# Altium PCB MAIN.PcbDoc (part 2 of 2)
Units mil, origin at the board's own origin, x right, y up, seen from the top; angles counter-clockwise.
Board outline 5796 x 4241 mil, 2 copper layers (Top Layer, Bottom Layer); 170 components, 202 nets, 835 pads, 432 vias.
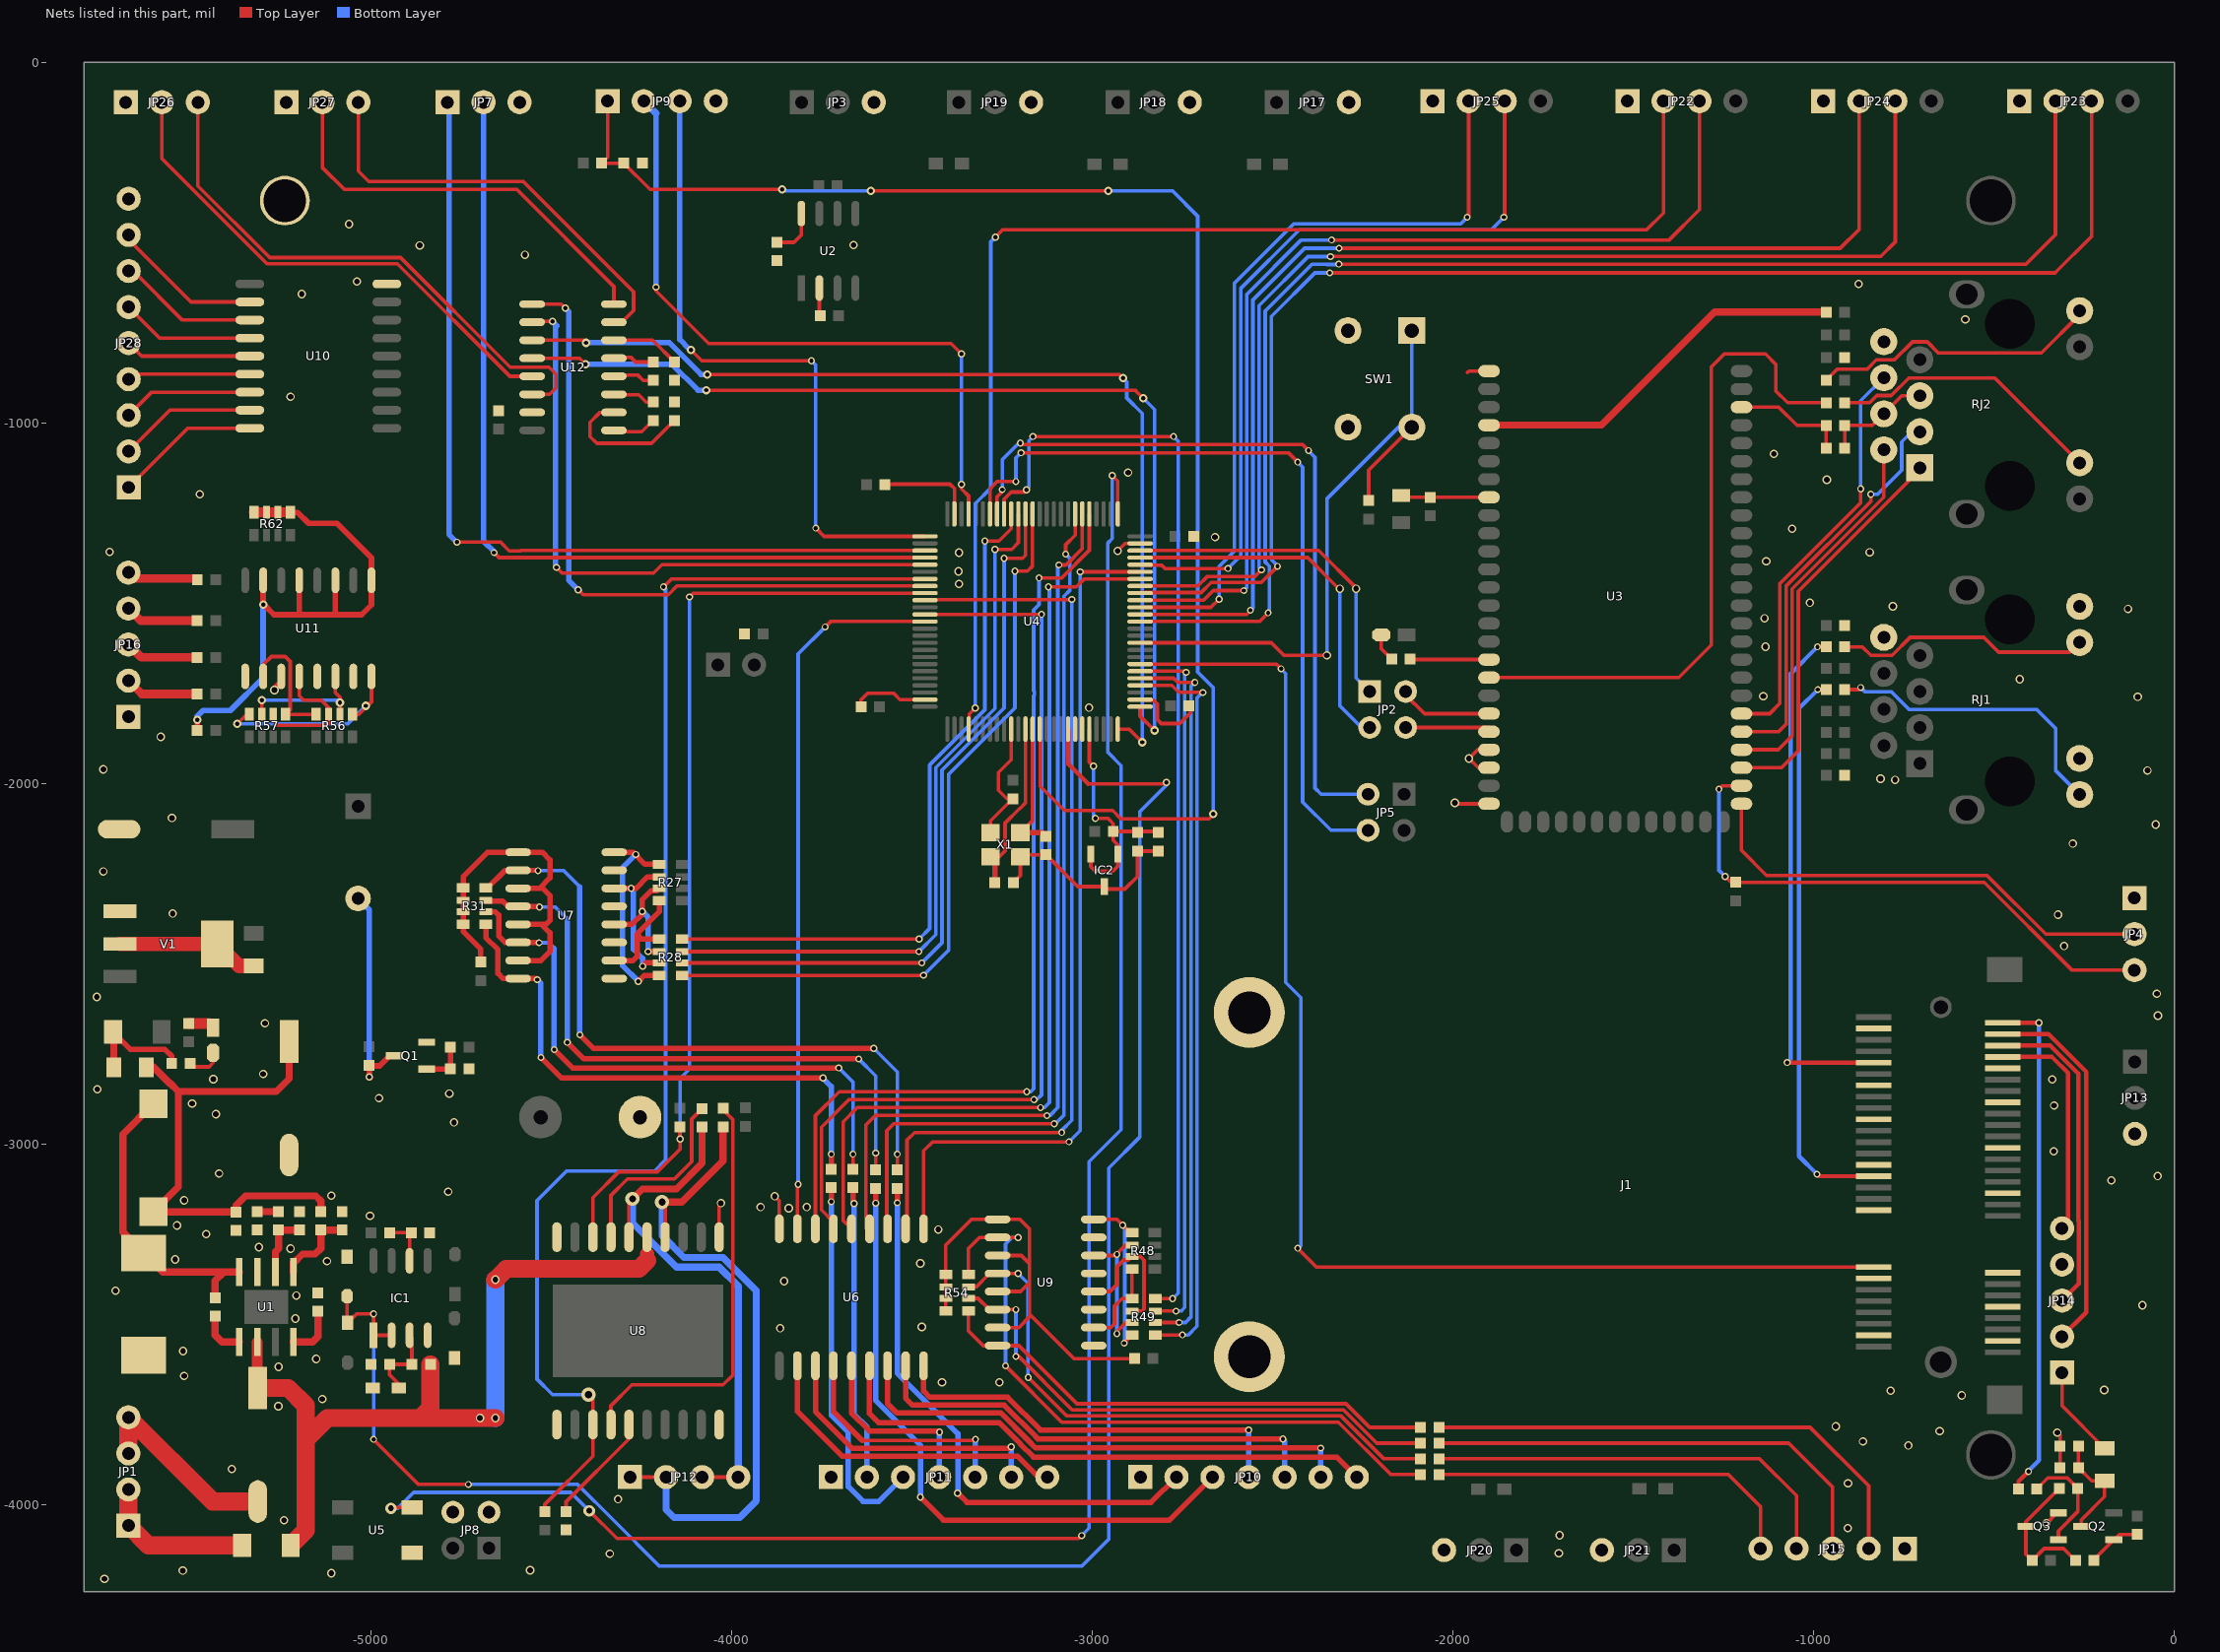
[diagram p2: the nets of this part, all layers, seen from the top]

## Via types
v1: diameter 19.68, hole 11.81, Top Layer to Bottom Layer, 219 vias
v2: diameter 23.62, hole 15.75, Top Layer to Bottom Layer, 123 vias
v3: diameter 25.98, hole 12.99, Top Layer to Bottom Layer, tented top, 40 vias
v4: diameter 23.62, hole 11.81, Top Layer to Bottom Layer, 38 vias
v5: diameter 39.37, hole 19.68, Top Layer to Bottom Layer, 6 vias
v6: diameter 31.5, hole 15.75, Top Layer to Bottom Layer, 3 vias
v7: diameter 47.24, hole 23.62, Top Layer to Bottom Layer, 3 vias

## Nets (pads, with @x,y where several pads share a name; then routed paths per layer and width w, separated by ;. In a path a pad name is that pad's centre, name@x,y a point inside that pad or via, vN(x,y) a via of type N, cw(c..) or ccw(c..) an arc to the next point about the centre after c; other vN are vias at no path point) (continued)
GND: C2.1 C3.1 C4.1 C5.1 C6.1 C7.1 C8.1 C9.2 C10.1 C11.2 C12.2 C13.1 C14.1 C15.1 C16.1 C17.1 C18.1 C19.1 C20.1 C21.1 C22.1 C25.1 C26.1 C27.1 C28.1 C29.2 C30.2 C32.2 C34.2 D1.1 E1.2 E2.2 E3.2 IC1.4 IC2.3 J1.3 J1.4 J1.9 J1.14 J1.15 J1.18 J1.21 J1.26 J1.29 J1.34 J1.37 J1.40 J1.43 J1.50 J1.53 J1.54 JP1.3 JP1.4 JP3.3 JP4.1 JP7.3 JP8.3 JP8.4 JP9.4 JP10.1 JP11.1 JP13.3 JP14.4 JP15.1 JP16.1 JP17.3 JP18.3 JP19.3 JP20.3 JP21.3 JP22.1 JP23.1 JP24.1 JP25.1 JP26.1 JP27.1 JP28.9 LED1.2 pad.1@-5238,-384 Q1.2 Q3.2 R3.1 R5.1 R7.1 R9.2 R17.1 R20.1 R32.2 R35.1 RJ1.8 RJ1.10 RJ1.12 RJ2.8 SW1.2 SW1.3 U1.7 U2.2 U3.B23 U3.C1 U3.C3 U3.C4 U3.C18 U3.C25 U4.10 U4.19 U4.20 U4.27 U4.49 U4.74 U4.99 U5.3 U6.9 U7.9 U7.11 U7.13 U7.15 U8.1 U8.10 U8.11 U8.20 U9.9 U9.11 U9.13 U9.15 U10.9 U11.9 U11.11 U11.13 U11.15 U12.15 V1.1 VD2.1 VD4.1 X1.2 X1.4 | length 3723.8
  Top Layer w10: C3.1@-5500.41,-2777 -5491.4,-2786 -5448,-2786 -5436.74,-2774.74 LED1.2@-5436.74,-2747 ; v2(-5267,-1741) -5267,-1733 -5247.93,-1713.93 U11.11@-5247.93,-1703.24 ; U8.1@-4033.7,-3258.24 -4033.7,-3168.7 v2(-4029,-3164) ; v2(-3880,-3145) -3867,-3158 U6.9@-3867,-3235 ; U2.2@-3756,-626.35 -3756,-700.58 C9.2@-3753.59,-703 ; C19.1@-3640.59,-1787 -3640.59,-1768.59 -3622,-1750 -3550,-1750 -3532.46,-1767.54 U4.99@-3463.24,-1767.54 ; C16.1@-3574.41,-1171 -3556,-1171 ; -3516,-1171 -3556,-1171 ; U4.74@-3381.53,-1252.76 -3381.53,-1182.47 -3394,-1170 -3555,-1170 -3556,-1171 ; X1.4@-3281.4,-2136.49 -3281.4,-2104 C18.1@-3220,-2042.59 -3236.41,-2042.59 -3260,-2019 -3260,-1970 -3224.05,-1934.05 U4.10@-3224.05,-1849.24 ; C15.1@-3218.41,-2275 -3198.72,-2255.31 X1.2@-3198.72,-2203.42 -3192.9,-2197.59 C14.1@-3128,-2197.59 -3039.59,-2286 IC2.3@-2966,-2286 -2959,-2293 -2909,-2293 -2874,-2258 C21.1@-2874,-2187.59 C22.1@-2816,-2187.59 ; v2(-2929,-1355) -2908.46,-1334.46 U4.49@-2866.75,-1334.46 ; U4.27@-2866.75,-1767.54 -2864.97,-1769.31 -2829.81,-1769.31 -2819.32,-1779.8 -2819.32,-1822.68 -2808,-1834 -2757,-1834 -2727,-1804 -2727,-1789.4 C20.1@-2731.41,-1785 ; C7.1@-2138.19,-1206.41 C8.1@-2062,-1206.41 U3.C18@-1899.59,-1206.41 ; v2(-1994,-2054) -1991.5,-2056.5 U3.C1@-1899.5,-2056.5 ; -1959,-860 -1955.5,-856.5 U3.C25@-1899.5,-856.5 ; U3.C3@-1899.5,-1956.5 -1929.5,-1956.5 v2(-1955,-1931) -1930.5,-1906.5 U3.C4@-1899.5,-1906.5 U3.C4@-1897,-1904 ; U3.B23@-1199.5,-956.5 -1096.5,-956.5 -1045.84,-1007.16 C12.2@-964.59,-1007.16 C11.2@-964.59,-1070 ; v2(-354,-4052) -324.6,-4022.6 Q3.2@-321,-4022.6 ; v2(-324,-3800) -316.59,-3807.41 C28.1@-316.59,-3838 -316.41,-3838.19 C29.2@-316.41,-3897.66
  Top Layer w50: JP1.3@-5671.43,-3858 JP1.4@-5671.43,-3758 -5437.94,-3991.48 E3.2@-5313,-3991.48
  other v2: -5738,-4206 -5109,-4190 -5521,-4183 -4558,-4182 -4337,-4136 -1706,-4135 -1704,-4085 -905,-4065 -5240,-4043 -4314,-3985 -904,-3941 -5385,-3901 -737,-3836 -863,-3825 -650,-3796 -938,-3783 -5256,-3727 -5134,-3707 -589,-3697 -786,-3684 -194,-3682 -3416,-3661 -3257,-3661 -5517,-3643 -5255,-3618 -5151,-3596 -5520,-3574 -3865,-3511 -3472,-3507 -5209,-3484 -88,-3447 -5206,-3420 -5707,-3407 -3854,-3380 -3476,-3331 -5121,-3325 -5542,-3320 -5222,-3290 -5310,-3286 -5456,-3250 -3426,-3237 -5537,-3226 -5002,-3199 -3841,-3178 -3919,-3175 -3791,-3175 -5517,-3156 -5109,-3143 -4785,-3132 -174,-3101 -46,-3089 -5420,-3082 -334,-3020 -4769,-2940 -5429,-2917 -333,-2893 -5495,-2888 -4977,-2873 -4782,-2860 -5758,-2848 -338,-2821 -5436,-2820 -5298,-2806 -5293,-2665 -45,-2644 -5759,-2592 -48,-2583 -305,-2451 -322,-2364 -5549,-2361 -5741,-2244 -281,-2167 -51,-2114 -5551,-2096 -774,-1990 -814,-1987 -74,-1964 -5741,-1961 -5582,-1871 -3008,-1790 -101,-1760 -1139,-1758 -428,-1711 -1133,-1621 -1136,-1542 -128,-1516 -780,-1509 -1010,-1499 -3369,-1447 -3370,-1412 -1131,-1384 -3369,-1360 -844,-1359 -5724,-1358 -2659,-1317 -1059,-1294 -5474,-1198 -963,-1158 -2900,-1138 -1110,-1086 -5222,-928 -579,-713 -5191,-643 -875,-615 -5038,-608 -4572,-534 -4864,-508 -3661,-507 -5060,-449
INPUT_C1: R33.1 U4.84 U8.8 | length 2640.3
  Top Layer w10: U8.8@-4383.7,-3258.24 -4383.7,-3148.7 -4312,-3077 -4205,-3077 -4142,-3014 v1(-4142,-2986) -4143,-2985 R33.1@-4143,-2952.13 ; v1(-4116,-1483) -4105.26,-1472.26 U4.84@-3463.24,-1472.26
  Bottom Layer w10: v1(-4142,-2986) -4142,-2818 -4116,-2792 v1(-4116,-1483)
INPUT_C2: R29.1 U4.82 U8.13 | length 3769.4
  Top Layer w10: R29.1@-4517,-4019.41 -4517,-3999 -4383.7,-3865.7 U8.13@-4383.7,-3777.96 -4383.7,-3707.3 v5(-4396,-3695) ; v1(-4188,-1455) -4165.89,-1432.89 U4.82@-3463.24,-1432.89
  Bottom Layer w10: v5(-4396,-3695) -4496,-3695 -4539,-3652 -4539,-3157 -4457,-3075 -4213,-3075 -4182.35,-3044.35 -4182.35,-1460.65 v1(-4188,-1455)
KEYINPUT1: R49.1 U4.29 | length 2072.5
  Top Layer w10: U4.29@-2866.75,-1728.17 -2778.83,-1728.17 -2760,-1747 -2694,-1747 v1(-2693,-1748) ; R49.1@-2825.17,-3529.39 v1(-2749.39,-3529.39)
  Bottom Layer w10: v1(-2749.39,-3529.39) -2733.39,-3529.39 -2709,-3505 -2709,-1763 -2694,-1748 v1(-2693,-1748)
KEYINPUT2: R49.2 U4.30 | length 2026.4
  Top Layer w10: U4.30@-2866.75,-1708.48 -2774.05,-1708.48 -2762.53,-1720 v1(-2715,-1720) ; R49.2@-2825.17,-3494.75 v1(-2758.75,-3494.75)
  Bottom Layer w10: v1(-2758.75,-3494.75) -2740.75,-3494.75 -2726,-3480 -2726,-1731 v1(-2715,-1720)
KEYINPUT3: R49.3 U4.31 | length 1978.2
  Top Layer w10: U4.31@-2866.75,-1688.8 -2742.2,-1688.8 v1(-2739,-1692) ; R49.3@-2825.17,-3463.25 v1(-2767.25,-3463.25)
  Bottom Layer w10: v1(-2767.25,-3463.25) -2753.25,-3463.25 -2743,-3453 -2743,-1696 v1(-2739,-1692)
KEYINPUT4: R49.4 U4.67 | length 3117.7
  Top Layer w10: U4.67@-3243.73,-1252.76 -3243.73,-1211.73 -3224,-1192 -3188,-1192 v1(-3182,-1186) ; v1(-3164,-1038) -3163,-1039 -3159,-1035 -3156,-1038 v1(-2774,-1038) ; R49.4@-2825.17,-3428.61 v1(-2776.61,-3428.61)
  Bottom Layer w10: v1(-3182,-1186) -3175.16,-1179.16 -3175.16,-1049.16 v1(-3164,-1038) ; v1@-2779,-3432 -2760.84,-3413.84 -2760.84,-1051.16 v1(-2774,-1038)
LINK0: R14.1 U3.C8 | length 1857.7
  Top Layer w10: U3.C8@-1899.5,-1706.5 -1373.5,-1706.5 -1283,-1616 -1283,-845 -1247,-809 -1133,-809 -1104,-838 -1104,-912 -1071.67,-944.33 R14.1@-964.59,-944.33
LPWM: J1.45 JP14.5 | length 637.9
  Top Layer w11.81: J1.45@-475.5,-2758.4 -338.8,-2758.4 -294,-2803.21 -294,-3217 JP14.5@-311,-3234
LRX: J1.49 JP14.2 | length 1036.6
  Top Layer w11.81: J1.49@-475.5,-2695.41 -348.59,-2695.41 -244,-2800 -244,-3467 JP14.2@-311,-3534
LTX: J1.47 JP14.3 | length 890.9
  Top Layer w11.81: J1.47@-475.5,-2726.91 -343.7,-2726.91 -266,-2804.6 -266,-3212.05 -264.63,-3213.42 -264.63,-3387.63 JP14.3@-311,-3434
MLED: J1.24 R40.1 | length 1568.1
  Top Layer w11.81: v1(-990,-3084) -984.89,-3089.11 J1.24@-833.77,-3089.11 ; v1(-987.85,-1739.85) R40.1@-964.59,-1739.85
  Bottom Layer w11.81: v1(-990,-3084) -1040,-3034 -1040,-1792 v1(-987.85,-1739.85)
NCCMD: J1.16 U4.32 | length 3648
  Top Layer w10: U4.32@-2866.75,-1669.11 -2488.89,-1669.11 v1(-2476,-1682) ; v1(-2430,-3289) -2377.92,-3341.08 J1.16@-833.77,-3341.08
  Bottom Layer w10: v1(-2476,-1682) -2463,-1695 -2463,-2552 -2421,-2594 -2421,-3282 v1@-2429,-3290
NetB1_2: B1.2 Q1.3 R18.1 | length 624.3
  Top Layer w15.75: v1@-5002,-2816 v1(-5004,-2814) R18.1@-5004,-2781.59 -5002.59,-2783 -4975,-2783 -4947,-2755 Q1.3@-4935,-2755
  Bottom Layer w15.75: B1.2@-5035,-2318.95 -5004,-2349.96 v1(-5004,-2814)
NetC1_1: C1.1 U1.1 | length 127.3
  Top Layer w20: C1.1@-5431,-3477.59 -5431,-3530 -5412,-3549 U1.1@-5364,-3549
NetC1_2: C1.2 D1.2 L1.1 U1.8 | length 841.7
  Top Layer w20: L1.1@-5602,-2888 -5687,-2973 -5687,-3244.27 D1.2@-5629,-3302.27 -5576.27,-3355 -5407,-3355 ; C1.2@-5431,-3426.41 -5431,-3379 -5407,-3355 ; U1.8@-5364,-3355 -5407,-3355
NetC2_2: C2.2 E1.1 L1.2 L2.1 R2.2 | length 1432.8
  Top Layer w20: L2.1@-5622,-2787 -5602,-2787 -5557.37,-2831.63 -5555.59,-2831.63 -5533,-2854.22 ; E1.1@-5226,-2715.52 -5226,-2819 -5261.22,-2854.22 -5533,-2854.22 ; R2.2@-5138,-3187.41 -5138,-3158 -5152,-3144 -5347,-3144 -5373,-3170 C2.2@-5373,-3188.41 -5601.59,-3188.41 L1.2@-5602,-3188 -5533,-3119 -5533,-2854.22
NetC3_2: C3.2 F1.1 L2.2 | length 303.4
  Top Layer w15: F1.1@-5712,-2691.5 -5666.5,-2737 -5571,-2737 -5551.59,-2756.41 C3.2@-5551.59,-2777
  Top Layer w20: L2.2@-5712,-2787 F1.1@-5712,-2691.5
NetC4_2: C4.2 R4.2 U1.6 | length 178.8
  Top Layer w20: U1.6@-5264,-3355 -5264,-3299 -5255,-3290 -5255,-3239.09 R4.2@-5255.5,-3238.59 C4.2@-5197,-3238.59
NetC5_2: C5.2 R4.1 | length 58.5
  Top Layer w20: C5.2@-5313.99,-3187.41 R4.1@-5255.5,-3187.41
NetC6_2: C6.2 IC1.3 R6.1 R7.2 | length 220.9
  Top Layer w10: C6.2@-4921.5,-3676 -4921.5,-3666.5 -4947.41,-3640.59 R7.2@-4947.41,-3611 R6.1@-4885.59,-3611 -4885.59,-3536.75 IC1.3@-4892,-3530.35
NetC11_1: C11.1 C12.1 RJ2.4 RJ2.5 | length 305.3
  Top Layer w10: C11.1@-913.41,-1070 C12.1@-913.41,-1007.16 -837.16,-1007.16 RJ2.4@-805,-975 -755,-925 RJ2.5@-705,-925
NetC14_2: C14.2 U4.13 X1.3 | length 376.1
  Top Layer w10: X1.3@-3198.72,-2136.49 -3164.99,-2102.76 U4.13@-3164.99,-1849.24
  Top Layer w15: X1.3@-3198.72,-2136.49 -3137.92,-2136.49 C14.2@-3128,-2146.41
NetC15_2: C15.2 U4.12 X1.1 | length 468.4
  Top Layer w10: X1.1@-3281.4,-2203.42 -3257.42,-2203.42 -3241,-2187 -3241,-2110 -3200.59,-2069.59 -3200.03,-2069.59 -3193,-2062.56 -3193,-2062 -3184.68,-2053.68 U4.12@-3184.68,-1849.24
  Top Layer w15: C15.2@-3269.59,-2275 X1.1@-3269.59,-2215.23
NetC23_1: C23.1 U8.14 | length 1182.2
  Top Layer w10: U8.14@-4333.7,-3777.96 -4333.7,-3725.7 -4276,-3668 -4023,-3668 -3996,-3641 -3996,-2932.15 -4027.21,-2900.94 C23.1@-4023,-2900.94
NetC24_2: C24.2 U8.7 | length 537.1
  Top Layer w10: U8.7@-4333.7,-3258.24 -4333.7,-3142.7 -4288,-3097 -4158,-3097 -4110,-3049 -4110,-2930.95 C24.2@-4081,-2901.95
NetC25_2: C25.2 U8.15 | length 313.2
  Top Layer w10: C25.2@-4458,-4018.94 -4458,-3992 -4283.7,-3817.7 U8.15@-4283.7,-3777.96
NetC28_2: C28.2 C29.1 L3.1 Q2.3 | length 299.5
  Top Layer w10: C28.2@-265.41,-3838 -265.41,-3897.48 C29.1@-265.23,-3897.66 -228.89,-3934 L3.1@-193,-3934 -193,-3978 -257,-4042 Q2.3@-257,-4060
NetC31_1: C31.1 U12.3 | length 117.6
  Top Layer w10: U12.3@-4325.73,-921 -4324.73,-922 -4257,-922 -4236.59,-942.41 C31.1@-4217,-942.41
NetC31_2: C31.2 U12.1 | length 123.4
  Top Layer w10: U12.1@-4325.73,-1021 -4321.73,-1025 -4248.41,-1025 C31.2@-4217,-993.59
NetC32_1: C32.1 U12.6 | length 192.8
  Top Layer w10: U12.6@-4325.73,-771 -4218.41,-771 C32.1@-4158,-831.41
NetC33_1: C33.1 U12.4 | length 116
  Top Layer w10: U12.4@-4325.73,-871 -4322.73,-868 -4259,-868 -4244.41,-882.59 C33.1@-4217,-882.59
NetC33_2: C33.2 U12.5 | length 115.5
  Top Layer w10: U12.5@-4325.73,-821 -4322.73,-818 -4279,-818 -4265.59,-831.41 C33.2@-4217,-831.41
NetC34_1: C34.1 U12.2 | length 385
  Top Layer w10: U12.2@-4325.73,-971 -4364,-971 -4392,-999 -4392,-1038 -4373,-1057 -4221.4,-1057 C34.1@-4158,-993.59
NetF2_1: F2.1 V1.2 | length 396.3
  Top Layer w40: V1.2@-5695,-2445 V1.2@-5425,-2445 -5364,-2506 F2.1@-5324,-2506
NetF3_1: F3.1 JP1.1 JP1.2 | length 453.9
  Top Layer w10: JP1.2@-5671.43,-3958 JP1.2@-5660,-3969.43
  Top Layer w50: JP1.2@-5671.43,-3958 JP1.1@-5671.43,-4058 -5616.43,-4113 F3.1@-5356.5,-4113
NetIC1_6: IC1.6 R34.1 R35.2 | length 139.3
  Top Layer w10: R34.1@-4947.41,-3246 R35.2@-4887.59,-3246 -4892,-3250.41 IC1.6@-4892,-3323.65
NetJP2_2: JP2.2 U3.C6 | length 262
  Top Layer w10: JP2.2@-2130.49,-1745 -2130.49,-1754.51 -2078.5,-1806.5 U3.C6@-1899.5,-1806.5
NetJP2_4: JP2.4 U3.C5 | length 242.5
  Top Layer w10: JP2.4@-2130.49,-1845 -1899.5,-1845 U3.C5@-1899.5,-1856.5
NetJP4_2: JP4.2 U3.B1 | length 1314.8
  Top Layer w10: U3.B1@-1199.5,-2056.5 -1199.5,-2185.5 -1130,-2255 -519,-2255 -356,-2418 JP4.2@-110,-2418
NetJP4_3: JP4.3 R13.1 U3.B2 | length 1558.2
  Top Layer w10: v1(-1262,-2016) -1252.5,-2006.5 U3.B2@-1199.5,-2006.5 ; v1(-1245,-2258) -1228.59,-2274.41 R13.1@-1215,-2274.41 -526.59,-2274.41 -283,-2518 JP4.3@-110,-2518
  Bottom Layer w10: v1(-1262,-2016) -1262,-2241 v1(-1245,-2258)
NetJP10_2: JP10.2 R22.1 | length 1561.4
  Top Layer w15: v1(-3540,-3163) R22.1@-3540,-3123.13 ; v1(-3373,-3968) -3347,-3994 -2836.38,-3994 JP10.2@-2766,-3923.62
  Bottom Layer w15: v1(-3540,-3163) -3540,-3635 -3372,-3803 v1@-3372,-3968
NetJP10_3: JP10.3 R23.1 | length 1793.2
  Top Layer w15: v1(-3600,-3164) R23.1@-3600,-3123.13 ; v1(-3476,-3979) -3412,-4043 -2785.38,-4043 JP10.3@-2666,-3923.62
  Bottom Layer w15: v1(-3600,-3164) -3600,-3711 -3476,-3835 v1(-3476,-3979)
NetJP10_4: JP10.4 U6.18 | length 1146.4
  Top Layer w15: U6.18@-3467,-3615 -3467,-3685 -3450,-3702 -3234.24,-3702 -3143.24,-3793 v1(-2566,-3793)
  Bottom Layer w15: JP10.4@-2566,-3923.62 v1(-2566,-3793)
NetJP10_5: JP10.5 U6.17 | length 1283.8
  Top Layer w15: U6.17@-3517,-3615 -3517,-3705 -3498,-3724 -3243.35,-3724 -3155.66,-3811.69 -3155.66,-3812.34 -3150,-3818 v1(-2471,-3818)
  Bottom Layer w15: JP10.5@-2466,-3923.62 v1@-2466,-3823
NetJP10_6: JP10.6 U6.16 | length 1438
  Top Layer w15: U6.16@-3567,-3615 -3567,-3720 -3541,-3746 -3252.46,-3746 -3177.66,-3820.8 -3177.66,-3821.46 -3156.11,-3843 v1(-2366,-3843)
  Bottom Layer w15: JP10.6@-2366,-3923.62 v1(-2366,-3843)
NetJP10_7: JP10.7 U6.15 | length 1556.5
  Top Layer w15: U6.15@-3617,-3615 -3617,-3747 -3591,-3773 -3256.57,-3773 -3199.66,-3829.92 -3199.66,-3830.57 -3162.23,-3868 -2321.62,-3868 JP10.7@-2266,-3923.62
NetJP11_2: JP11.2 R24.1 | length 818.6
  Top Layer w15: R24.1@-3663,-3121.13 -3663,-3162 v1(-3660,-3165)
  Bottom Layer w15: v1(-3660,-3165) -3660,-3749 -3624,-3785 JP11.2@-3624,-3923.62
NetJP11_3: JP11.3 R25.1 | length 1045.2
  Top Layer w15: v1(-3723,-3160) R25.1@-3723,-3121.13
  Bottom Layer w15: v1(-3723,-3160) -3723,-3752 -3676.04,-3798.96 -3676.04,-3949.96 -3635,-3991 -3591.38,-3991 JP11.3@-3524,-3923.62
NetJP11_4: JP11.4 U6.14 | length 512.6
  Top Layer w15: U6.14@-3667,-3615 -3667,-3746 -3617,-3796 -3426,-3796 v1(-3423,-3799)
  Bottom Layer w15: JP11.4@-3424,-3923.62 v1@-3424,-3808
NetJP11_5: JP11.5 U6.13 | length 654.8
  Top Layer w10: -3637,-3822 v1@-3326,-3822
  Top Layer w15: U6.13@-3717,-3615 -3717,-3742 -3637,-3822
  Bottom Layer w15: JP11.5@-3324,-3923.62 v1@-3324,-3820
  other v1: -3323,-3819
NetJP11_6: JP11.6 U6.12 | length 797.5
  Top Layer w15: U6.12@-3767,-3615 -3767,-3742 -3665,-3844 -3228,-3844 v1(-3224,-3840)
  Bottom Layer w15: JP11.6@-3224,-3923.62 v1(-3224,-3840)
NetJP11_7: JP11.7 U6.11 | length 894.6
  Top Layer w15: U6.11@-3817,-3615 -3817,-3741 -3692,-3866 -3206,-3866 -3148.38,-3923.62 JP11.7@-3124,-3923.62
NetJP14_1: JP14.1 L3.2 | length 258.9
  Top Layer w10: JP14.1@-311,-3634 -311,-3726 L3.2@-193,-3844
NetJP15_2: JP15.2 R53.2 | length 1432.7
  Top Layer w10: R53.2@-2038.41,-3785.67 -1009.33,-3785.67 -847,-3948 JP15.2@-847,-4122
NetJP15_3: JP15.3 R52.2 | length 1312.8
  Top Layer w10: R52.2@-2038.41,-3829.33 -1068.67,-3829.33 -947,-3951 JP15.3@-947,-4122
NetJP15_4: JP15.4 R51.2 | length 1180.7
  Top Layer w10: R51.2@-2038.41,-3873 -1149,-3873 -1047,-3975 JP15.4@-1047,-4122
NetJP15_5: JP15.5 R50.2 | length 1045
  Top Layer w10: R50.2@-2038.41,-3916.67 -1235.33,-3916.67 -1147,-4005 JP15.5@-1147,-4122
NetJP16_2: JP16.2 R61.2 | length 206.2
  Top Layer w23.62: JP16.2@-5671.43,-1715 -5634.43,-1752 R61.2@-5480.59,-1752
NetJP16_3: JP16.3 R60.2 | length 205.5
  Top Layer w23.62: JP16.3@-5671.43,-1615 -5636.1,-1650.33 R60.2@-5480.59,-1650.33
NetJP16_4: JP16.4 R59.2 | length 204.8
  Top Layer w23.62: JP16.4@-5671.43,-1515 -5637.76,-1548.66 R59.2@-5480.59,-1548.66
NetJP16_5: JP16.5 R58.2 | length 199.1
  Top Layer w23.62: JP16.5@-5671.43,-1415 -5654.84,-1431.59 -5484,-1431.59 R58.2@-5480.59,-1435
NetJP22_2: JP22.2 U4.4 | length 3589
  Top Layer w10: U4.4@-3342.16,-1849.24 -3340.38,-1847.46 -3340.38,-1807.38 v1(-3324,-1791) ; v1(-3268,-485) -3247.84,-464.84 -1462.84,-464.84 -1416,-418 JP22.2@-1416,-108
  Bottom Layer w10: v1(-3324,-1791) -3324,-1223.89 -3280.95,-1180.84 -3280.95,-497.95 v1@-3265,-482
NetJP22_3: JP22.3 U4.41 | length 2775.6
  Top Layer w10: U4.41@-2866.75,-1491.94 -2690.94,-1491.94 -2664,-1465 v1@-2580,-1465 ; v1(-2336,-493) -1400,-493 -1316,-409 JP22.3@-1316,-108
  Bottom Layer w10: v1(-2579,-1465) -2571,-1457 -2571,-644 -2420,-493 v1(-2336,-493)
NetJP23_2: JP23.2 U4.38 | length 3857.7
  Top Layer w10: U4.38@-2866.75,-1551 -2536,-1551 v1(-2512,-1527) ; v1(-2316,-560) -411,-560 -329,-478 JP23.2@-329,-108
  Bottom Layer w10: v1(-2512,-1527) -2508.16,-1523.16 -2508.16,-1397.8 -2520,-1385.96 -2520,-690 -2390,-560 -2348.89,-560 -2348.05,-560.84 -2316.84,-560.84 v1(-2316,-560)
NetJP23_3: JP23.3 U4.42 | length 3852.4
  Top Layer w10: U4.42@-2866.75,-1472.26 -2864.97,-1470.48 -2697.48,-1470.48 -2669.84,-1442.84 -2530.84,-1442.84 v1(-2486,-1398) ; v1(-2341,-584) -329.84,-584 ; -329.84,-583.84 -229,-483 JP23.3@-229,-108
  Bottom Layer w10: v1(-2486,-1398) -2486,-1395.92 -2503,-1378.92 -2503,-705 -2382,-584 v1(-2341,-584)
NetJP24_2: JP24.2 U4.39 | length 3292.1
  Top Layer w10: U4.39@-2866.75,-1531.31 -2571.32,-1531.31 -2561,-1521 v1(-2561,-1520) ; v1(-2315,-516) -926,-516 -873,-463 JP24.2@-873,-108
  Bottom Layer w10: v1(-2561,-1520) -2554,-1513 -2554,-659 -2411,-516 v1(-2315,-516)
NetJP24_3: JP24.3 U4.43 | length 3318.4
  Top Layer w10: U4.43@-2866.75,-1452.57 -2706.57,-1452.57 -2679.84,-1425.84 -2547.84,-1425.84 v1(-2530,-1408) ; v1(-2339,-539) -2338.16,-538.16 -813.16,-538.16 -773,-498 JP24.3@-773,-108
  Bottom Layer w10: v1(-2530,-1408) -2537,-1401 -2537,-675 -2401,-539 v1(-2339,-539)
NetJP25_2: JP25.2 U4.40 | length 2167
  Top Layer w10: U4.40@-2866.75,-1511.63 -2670.63,-1511.63 v1(-2648,-1489) ; v1(-1960,-430) -1956,-426 JP25.2@-1956,-108
  Bottom Layer w10: v1(-2648,-1489) -2648,-1398.11 -2605,-1355.11 -2605,-612 -2441,-448 -1978,-448 v1(-1960,-430)
NetJP25_3: JP25.3 U4.46 | length 2170.6
  Top Layer w10: U4.46@-2866.75,-1393.52 -2864.97,-1395.3 -2806.7,-1395.3 -2798,-1404 v1(-2623,-1404) ; v1@-1856,-428 JP25.3@-1856,-108
  Bottom Layer w10: v1(-2623,-1404) -2588,-1369 -2588,-628 -2425,-465 -1893,-465 v1(-1858,-430)
NetJP26_2: JP26.2 U12.13 | length 1432.9
  Top Layer w10: JP26.2@-5579,-111 -5579,-267 -5287,-559 -4926,-559 -4614,-871 U12.13@-4552.27,-871
NetJP26_3: JP26.3 U12.14 | length 1573.7
  Top Layer w10: JP26.3@-5479,-111 -5479,-342.96 -5279.96,-542 -4917,-542 -4613,-846 -4505,-846 -4486,-865 -4486,-903 -4504,-921 U12.14@-4552.27,-921 U12.14@-4573,-921
NetJP27_2: JP27.2 U12.8 | length 1174.8
  Top Layer w10: JP27.2@-5134,-111 -5134,-292 -5073,-353 -4595,-353 -4325.73,-622.27 U12.8@-4325.73,-671
NetJP27_3: JP27.3 U12.7 | length 1212.7
  Top Layer w10: JP27.3@-5034,-111 -5034,-302 -5005,-331 -4577,-331 -4271,-637 -4271,-689 -4303,-721 U12.7@-4325.73,-721
NetJP28_1: JP28.1 U10.18 | length 403.9
  Top Layer w10: JP28.1@-5671,-1179 -5507,-1015 U10.18@-5335,-1015
NetJP28_2: JP28.2 U10.17 | length 383.2
  Top Layer w10: JP28.2@-5671,-1079 -5557,-965 U10.17@-5335,-965